# KiCad board Rotonometron_PCB.kicad_pcb (continued)
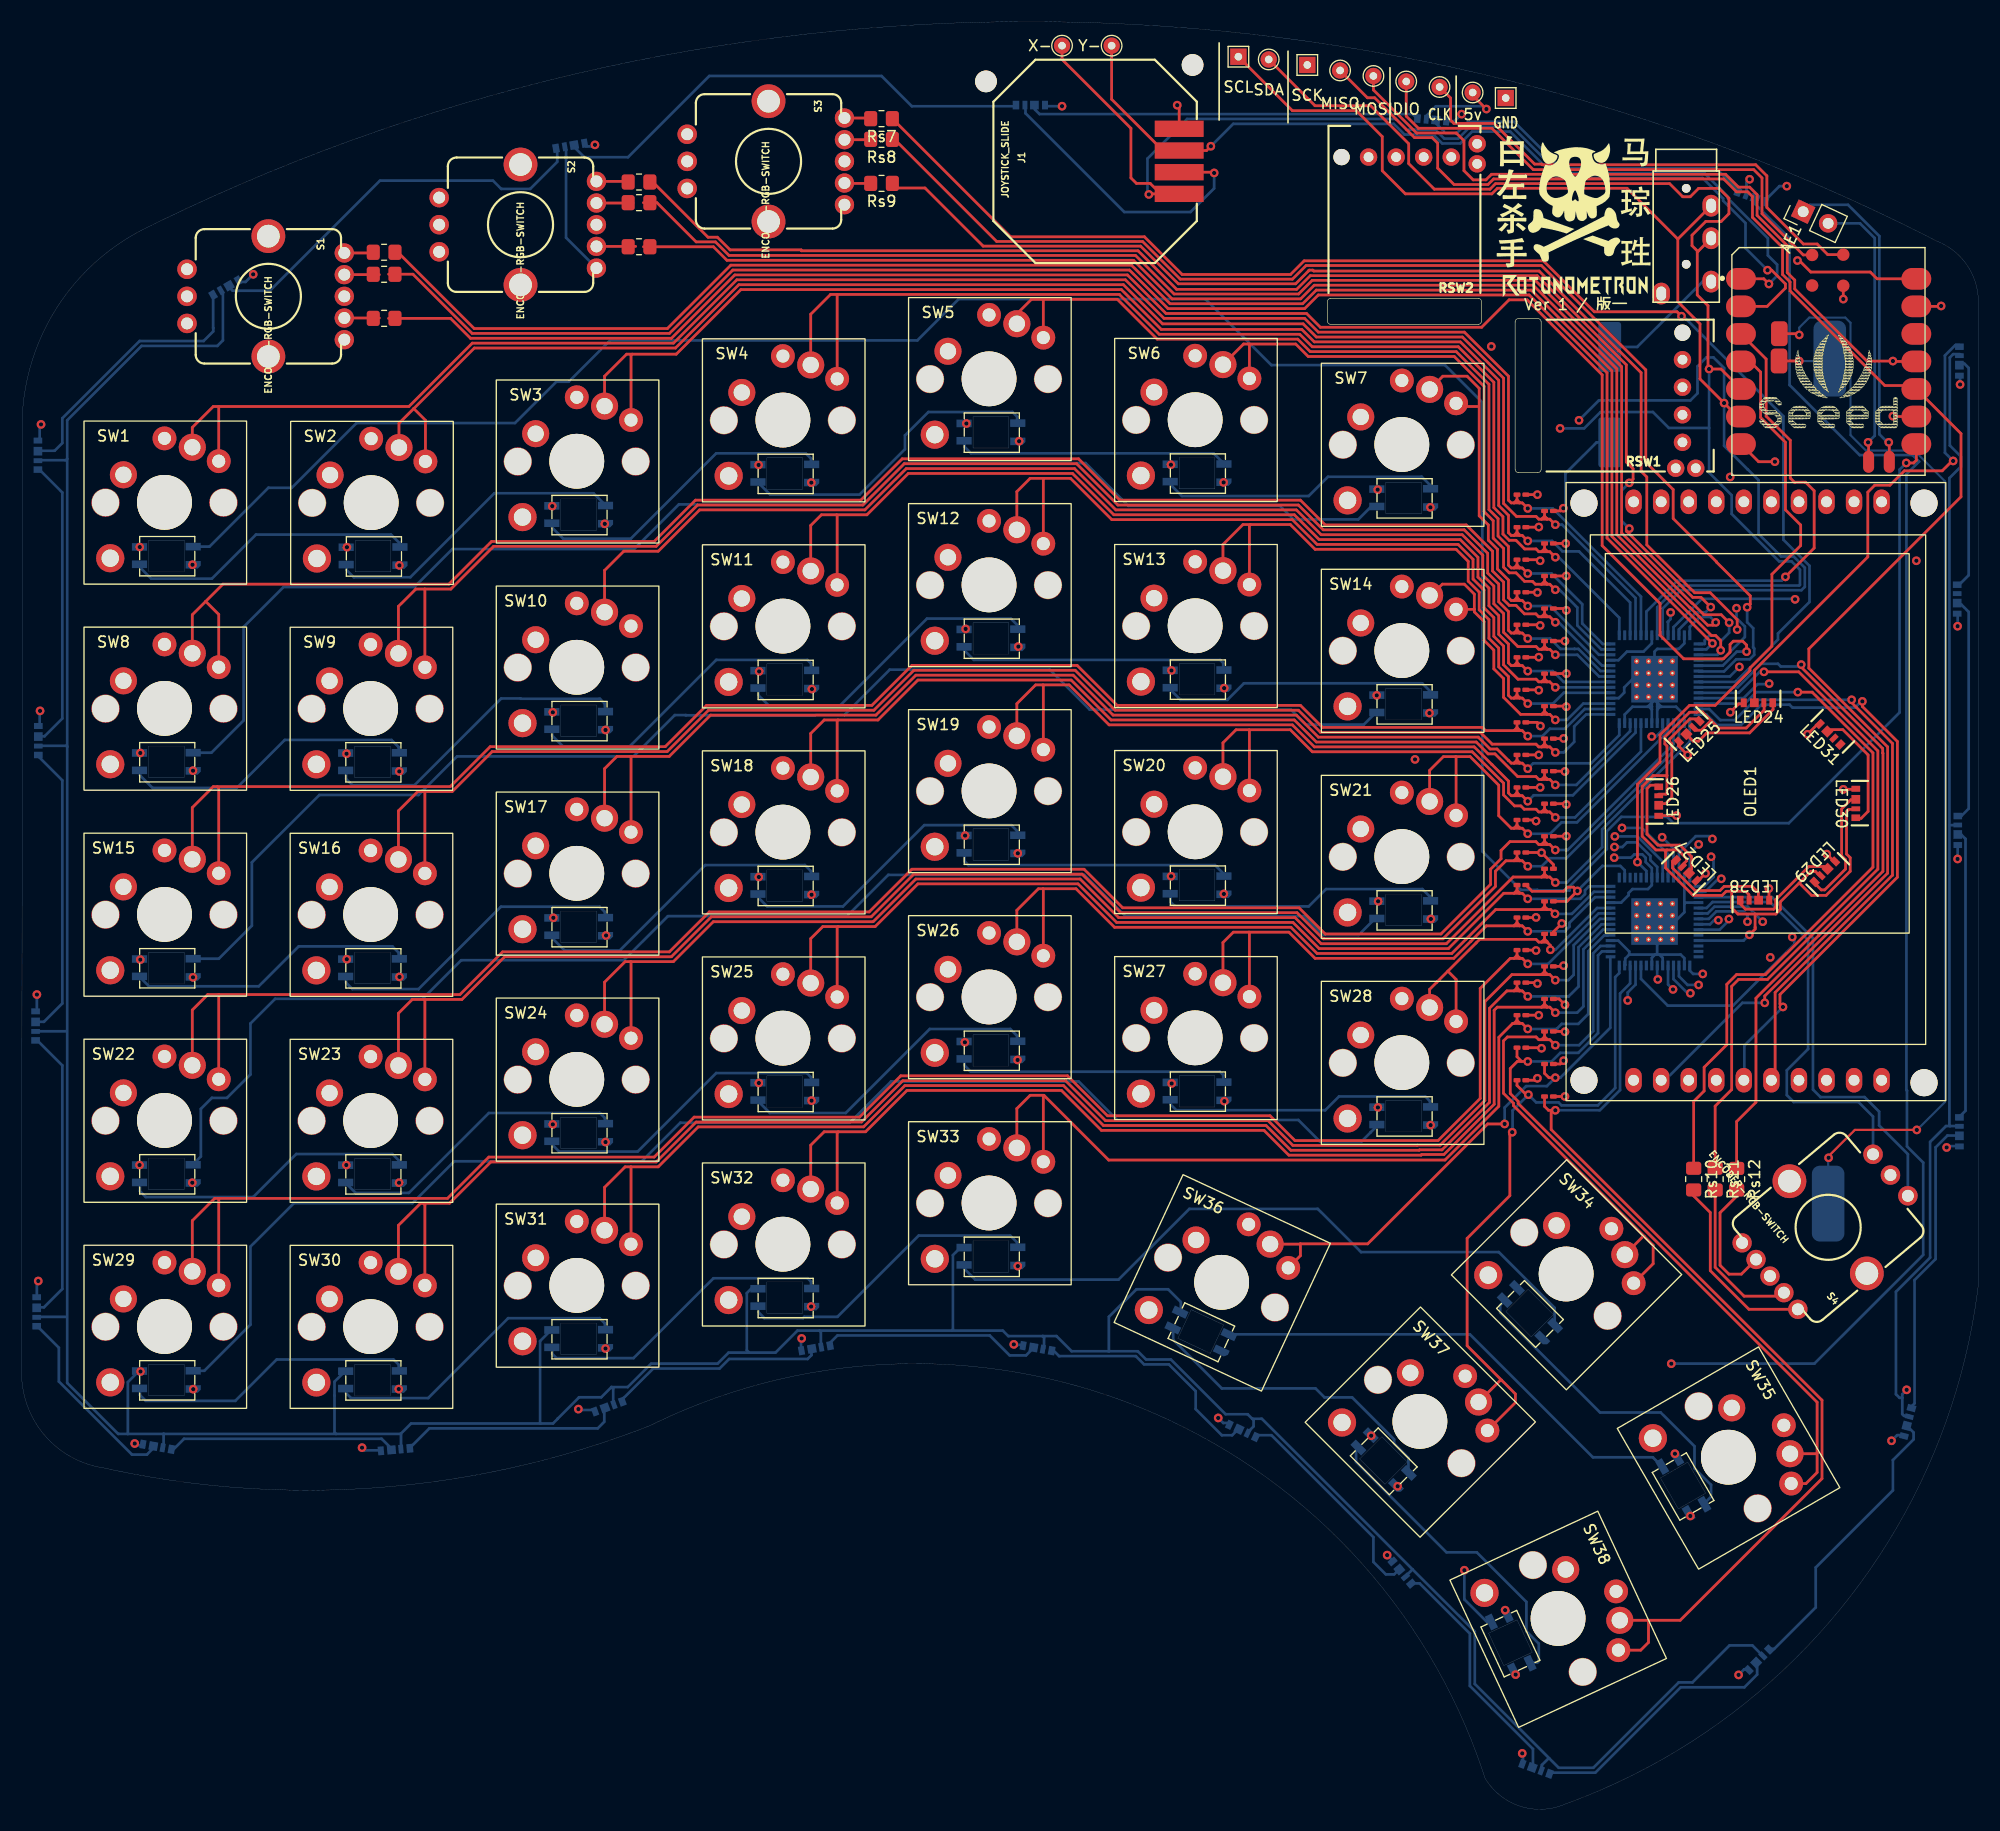
[diagram p0: board, top side]
## Routing (per net, layer and track width the routed paths; a pad name or vN(x,y) marks a point on that pad's centre or on a via; arc(x,y) is an arc through that point) (continued)
SDA: length 179.3
  Top w0.25: 154.49,143.65 153.95,144.2 153.95,145.16 155.22,146.43 156.64,146.43 157.36,147.14 157.36,148.56 156.44,149.48 154.56,149.48 153.79,148.7 153.1,148.7 151.88,149.92 135.84,149.92 135.33,149.4 130.2,149.4 127.84,151.77 127.84,153.59 124.34,157.1 119.2,157.1 SDA.1 ; 154.49,143.65 154.43,143.6 154.43,139.65 155.43,138.66 155.43,132.92 v1(155.53,132.82) 156.63,132.82 U3.5 ; 154.49,143.65 TRRS1.R1
  In2.Cu w0.25: v1(141.8,127.35) 141.42,127.35 140.64,126.57 140.64,119.15 140.65,119.14 140.65,118.03 140.95,117.73 142.63,117.73 144.81,115.54 144.81,89.78 145.82,88.77 146.79,88.77 146.81,88.76 v1(146.81,88.74)
  Bottom w0.25: 155.53,127.38 155.53,123.26 157.61,121.18 157.61,119.46 161.99,115.08 163.13,115.08 163.9,114.31 163.9,112.92 163.83,112.85 152.76,112.85 150.75,110.84 U1.50 ; 155.53,127.38 151.82,127.38 150.35,128.85 145.52,128.85 144.01,127.35 v1(141.8,127.35) ; 155.53,127.38 v1(155.53,132.82) ; v1(146.81,88.74) 147.53,88.74 147.96,89.17 148.86,89.17 150.12,87.92 150.12,87.53 150.75,86.9 U2.50
Sw 1: length 169.6
  Top w0.25: v1(138.81,119.96) 138.31,120.47 138.05,120.47 ; SW1.2 15.72,127.43 17.66,129.36 18.16,129.36 ; R1.2 137.82,120.75 ; 137.82,120.75 138.05,120.52 138.05,120.47 ; 137.82,120.75 137.54,120.47 ; 18.16,124.32 18.16,129.36 18.16,129.36 ; 137.54,120.47 138.05,120.47 ; 137.54,120.47 137.29,120.47 137.04,120.73 137.04,132.16 132.97,136.22 119.51,136.22 118.24,137.49 105.29,137.49 101.73,141.05 65.92,141.05 60.07,135.2 41.53,135.2 35.69,129.36 18.16,129.36
  Bottom w0.25: U1.47 149.25,111.83 141.11,119.96 v1(138.81,119.96)
Sw 2: length 150.2
  Top w0.25: R2.2 140.36,119.25 ; 140.36,119.25 140.59,119.02 140.59,118.97 ; 140.36,119.25 140.08,118.97 ; 34.77,125.58 34.77,127.81 36.13,129.17 ; v1(141.35,118.46) 140.85,118.97 140.59,118.97 ; 36.13,129.17 41.72,134.75 60.26,134.75 66.1,140.6 101.54,140.6 105.16,136.98 118.11,136.98 119.32,135.77 132.79,135.77 136.59,131.97 136.59,120.41 137.77,119.23 139.58,119.23 139.83,118.97 140.08,118.97 ; 36.13,129.17 37.21,128.09 SW2.2 ; 140.08,118.97 140.59,118.97
  Bottom w0.25: U1.46 148.75,111.7 141.98,118.46 v1(141.35,118.46)
Sw 3: length 130.6
  Top w0.25: 56.26,134.19 56.16,134.09 SW3.2 ; 56.26,134.19 60.33,134.19 66.29,140.15 101.36,140.15 105.03,136.47 117.98,136.47 119.14,135.32 132.6,135.32 136.14,131.78 136.14,120.23 137.04,119.33 137.04,117.73 137.29,117.47 137.54,117.47 ; 56.26,134.19 55.76,134.19 53.72,132.16 SW3.2 ; 137.54,117.47 137.82,117.75 ; 137.54,117.47 138.05,117.47 ; v1(138.81,116.96) 138.31,117.47 138.05,117.47 ; 138.05,117.47 138.05,117.52 137.82,117.75 ; 137.82,117.75 R3.2
  Bottom w0.25: v1(138.81,116.96) 141.05,116.96 142.01,116.01 143.53,116.01 148.25,111.29 U1.45
Sw 4: length 110.7
  Top w0.25: SW4.2 72.72,137.87 74.55,139.7 75.14,139.7 ; 140.36,116.25 140.08,115.97 ; 140.36,116.25 R4.2 ; 140.36,116.25 140.59,116.02 140.59,115.97 ; 140.08,115.97 139.83,115.97 139.58,116.23 138.53,116.23 137.73,117.02 137.1,117.02 136.53,117.6 136.53,119.2 135.69,120.04 135.69,131.6 132.41,134.87 118.95,134.87 117.8,136.02 104.84,136.02 101.17,139.7 75.14,139.7 ; 140.08,115.97 140.59,115.97 ; 140.59,115.97 140.85,115.97 v1(141.35,115.46) ; 75.14,139.7 75.16,139.67 SW4.2
  Bottom w0.25: U1.43 147.25,109.88 141.66,115.46 v1(141.35,115.46)
Sw 5: length 83
  Top w0.25: R5.2 137.82,114.75 ; 137.82,114.75 138.05,114.52 138.05,114.47 ; 137.82,114.75 137.54,114.47 ; 94.09,139.25 100.98,139.25 104.66,135.57 117.61,135.57 118.76,134.42 132.23,134.42 135.24,131.41 135.24,119.86 136.08,119.02 136.08,117.41 137.04,116.46 137.04,114.73 137.29,114.47 137.54,114.47 ; 94.09,139.25 93.07,139.25 91.72,137.9 ; 94.09,139.25 94.16,139.18 SW5.2 ; 137.54,114.47 138.05,114.47 ; 138.05,114.47 138.31,114.47 v1(138.81,113.96)
  Bottom w0.25: U1.42 145.72,107.47 143.84,109.35 143.84,111.13 141,113.96 v1(138.81,113.96)
Sw 6: length 62.3
  Top w0.25: 113.08,135.13 113.16,135.05 SW6.2 ; 113.08,135.13 117.43,135.13 118.58,133.97 132.04,133.97 134.79,131.23 134.79,119.67 135.63,118.83 135.63,117.23 136.59,116.27 136.59,114.54 137.1,114.02 137.73,114.02 138.51,113.24 139.25,113.24 139.52,112.97 140.08,112.97 ; 113.08,135.13 112.62,135.13 SW6.2 ; R6.2 140.36,113.25 ; 140.36,113.25 140.08,112.97 ; 140.36,113.25 140.59,113.02 140.59,112.97 ; 140.08,112.97 140.59,112.97 ; v1(141.35,112.46) 140.85,112.97 140.59,112.97
  Bottom w0.25: U1.41 145.59,106.97 143.39,109.17 143.39,110.82 141.74,112.46 v1(141.35,112.46)
Sw 7: length 40.6
  Top w0.25: 138.05,111.47 138.05,111.52 137.82,111.75 ; 138.05,111.47 137.54,111.47 ; 138.05,111.47 138.31,111.47 v1(138.81,110.96) ; 134.24,129.36 132.5,129.36 ; 137.82,111.75 137.54,111.47 ; 137.82,111.75 R7.2 ; 137.54,111.47 137.29,111.47 137.04,111.73 137.04,113.36 136.02,114.38 136.02,116.15 136.04,116.18 135.18,117.04 135.18,118.44 134.34,119.28 134.34,131.04 133.22,132.16 130.99,132.16 SW7.2
  Bottom w0.25: v1(138.81,110.96) 140.88,110.96 145.38,106.47 U1.40
Sw 8: length 158
  Top w0.25: 16.96,111.39 15.72,110.16 SW8.2 ; 16.96,111.39 18.54,112.98 39.37,112.98 43.31,116.92 58.3,116.92 62.11,120.73 77.35,120.73 81.16,124.54 97.41,124.54 101.22,120.73 117.86,120.73 120.14,118.44 133.14,118.44 135.57,116.01 135.57,114.19 136.59,113.17 136.59,111.54 137.1,111.02 137.73,111.02 138.51,110.24 139.56,110.24 139.83,109.97 140.08,109.97 ; 16.96,111.39 18.16,110.19 18.16,105.32 ; 140.59,109.97 140.85,109.97 v1(141.35,109.46) ; 140.59,109.97 140.59,110.02 140.36,110.25 ; 140.59,109.97 140.08,109.97 ; 140.36,110.25 140.08,109.97 ; 140.36,110.25 R8.2
  Bottom w0.25: U1.38 145.66,105.47 141.66,109.46 v1(141.35,109.46)
Sw 9: length 140.9
  Top w0.25: 138.05,108.47 138.05,108.52 137.82,108.75 ; 138.05,108.47 137.54,108.47 ; 138.05,108.47 138.31,108.47 v1(138.81,107.96) ; R9.2 137.82,108.75 ; 137.82,108.75 137.54,108.47 ; 137.54,108.47 137.29,108.47 137.04,108.73 137.04,110.46 136.14,111.35 136.14,112.99 135.12,114 135.12,115.83 132.96,117.99 119.96,117.99 117.67,120.28 101.04,120.28 97.23,124.09 81.34,124.09 77.53,120.28 62.29,120.28 58.48,116.47 43.5,116.47 39.56,112.53 37.14,112.53 ; 37.14,112.53 36.32,112.53 34.72,110.93 SW9.2 ; 37.14,112.53 37.16,112.51 SW9.2
  Bottom w0.25: U1.37 145.53,104.97 143.48,107.01 143.13,107.01 141.83,107.01 140.88,107.96 v1(138.81,107.96)
Sw 10: length 112.7
  Top w0.25: 140.08,106.97 139.83,106.97 139.58,107.23 137.9,107.23 136.59,108.54 136.59,110.27 135.69,111.17 135.69,112.8 134.67,113.82 134.67,115.64 132.77,117.54 119.77,117.54 117.49,119.83 100.85,119.83 97.04,123.64 81.53,123.64 77.72,119.83 62.48,119.83 58.67,116.02 55.49,116.02 53.72,114.25 SW10.2 ; 140.08,106.97 140.59,106.97 ; 140.08,106.97 140.36,107.25 ; 140.59,106.97 140.59,107.02 140.36,107.25 ; 140.59,106.97 140.85,106.97 v1(141.35,106.46) ; 140.36,107.25 R10.2
  Bottom w0.25: v1(141.35,106.46) 143.39,106.46 145.39,104.47 U1.36
Sw 11: length 99.7
  Top w0.25: 137.54,105.47 137.29,105.47 137.04,105.73 137.04,107.46 136.14,108.35 136.14,110.08 135.24,110.98 135.24,112.62 134.22,113.63 134.22,115.45 132.58,117.09 119.59,117.09 117.3,119.38 100.66,119.38 96.85,123.19 81.71,123.19 77.9,119.38 75.11,119.38 ; 137.54,105.47 137.82,105.75 ; 137.54,105.47 138.05,105.47 ; 75.11,119.38 75.16,119.32 SW11.2 ; 75.11,119.38 73.71,119.38 72.72,118.39 SW11.2 ; R11.2 137.82,105.75 ; 137.82,105.75 138.05,105.52 138.05,105.47 ; 138.05,105.47 138.31,105.47 v1(138.81,104.96)
  Bottom w0.25: v1(138.81,104.96) 141.11,104.96 142.12,103.96 142.37,103.96 142.37,103.97 U1.35
Sw 12: length 78.1
  Top w0.25: 94.22,122.74 92.95,122.74 91.72,121.52 SW12.2 ; 94.22,122.74 94.16,122.68 SW12.2 ; 94.22,122.74 96.67,122.74 100.48,118.93 117.11,118.93 119.4,116.64 132.4,116.64 133.77,115.27 133.77,113.45 134.79,112.43 134.79,110.8 135.69,109.9 135.69,108.17 136.59,107.27 136.59,105.54 137.91,104.22 139.58,104.22 ; 140.59,103.97 140.59,104.02 140.36,104.25 ; 140.59,103.97 140.08,103.97 ; 140.59,103.97 140.85,103.97 v1(141.35,103.46) ; 140.08,103.97 139.83,103.97 139.58,104.23 ; 140.08,103.97 140.36,104.25 ; R12.2 140.36,104.25
  Bottom w0.25: U1.34 141.36,103.47 v1(141.35,103.46)
Sw 13: length 58
  Top w0.25: 137.82,102.75 137.54,102.47 ; 137.82,102.75 R13.2 ; 137.82,102.75 138.05,102.52 138.05,102.47 ; 137.54,102.47 137.29,102.47 137.04,102.73 137.04,104.46 136.14,105.35 136.14,107.08 135.24,107.98 135.24,109.71 134.34,110.61 134.34,112.24 133.32,113.26 133.32,115.08 132.21,116.19 119.21,116.19 116.93,118.48 113.25,118.48 ; 137.54,102.47 138.05,102.47 ; 138.05,102.47 138.31,102.47 v1(138.81,101.96) ; 113.25,118.48 112.56,118.48 110.72,116.64 SW13.2 ; 113.25,118.48 113.16,118.39 SW13.2
  Bottom w0.25: v1(138.81,101.96) 141.13,101.96 142.14,102.97 U1.33
Sw 14: length 29.7
  Top w0.25: 133.89,110.67 133.88,110.66 SW14.2 ; 133.89,110.67 133.89,112.06 132.97,112.98 130.94,112.98 129.9,111.94 ; 133.89,110.67 133.89,110.42 134.79,109.52 134.79,107.8 135.69,106.9 135.69,105.17 136.59,104.27 136.59,102.54 138.15,100.97 140.08,100.97 ; 140.36,101.25 140.59,101.02 140.59,100.97 ; 140.36,101.25 140.08,100.97 ; 140.36,101.25 R14.2 ; v1(141.35,100.46) 140.85,100.97 140.59,100.97 ; 140.08,100.97 140.59,100.97
  Bottom w0.25: U1.31 143.93,101.97 142.43,100.46 v1(141.35,100.46)
Sw 15: length 154
  Top w0.25: 137.54,99.47 134.92,99.47 134.62,99.77 119.89,99.77 117.86,101.8 100.97,101.8 97.28,105.49 82.04,105.49 78.36,101.8 63.12,101.8 59.31,97.99 43.18,97.99 39.5,94.31 18.04,94.31 ; 137.54,99.47 137.82,99.75 ; 137.54,99.47 138.05,99.47 ; 137.82,99.75 138.05,99.52 138.05,99.47 ; 137.82,99.75 R15.2 ; 18.04,94.31 17.66,94.31 15.72,92.38 SW15.2 ; 18.04,94.31 18.16,94.19 SW15.2 ; 138.05,99.47 138.31,99.47 v1(138.81,98.96)
  Bottom w0.25: v1(138.81,98.96) 140.17,98.96 140.85,99.64 142.24,99.64 144.07,101.47 U1.30
Sw 16: length 135.8
  Top w0.25: 140.59,97.97 140.59,98.02 140.36,98.25 ; 140.59,97.97 140.85,97.97 v1(141.35,97.46) ; 140.59,97.97 140.08,97.97 ; 140.08,97.97 139.83,97.97 139.58,98.23 135.53,98.23 134.44,99.32 119.7,99.32 117.67,101.35 100.78,101.35 97.1,105.04 82.23,105.04 78.55,101.35 63.31,101.35 59.5,97.54 43.37,97.54 39.69,93.86 37.14,93.86 ; 140.08,97.97 140.36,98.25 ; 37.14,93.86 37.16,93.84 SW16.2 ; 37.14,93.86 36.51,93.86 34.72,92.07 SW16.2 ; 140.36,98.25 R16.2
  Bottom w0.25: U1.29 144.2,100.97 143.09,99.86 143.09,98.43 142.12,97.46 v1(141.35,97.46)
Sw 17: length 115.9
  Top w0.25: 56.15,97.09 56.16,97.08 SW17.2 ; 56.15,97.09 59.68,97.09 63.49,100.9 78.73,100.9 82.42,104.59 96.91,104.59 100.6,100.9 117.49,100.9 119.52,98.87 134.25,98.87 135.35,97.78 135.98,97.78 137.03,96.73 137.04,96.73 137.29,96.47 137.54,96.47 ; 56.15,97.09 54.86,97.09 53.72,95.96 SW17.2 ; 137.54,96.47 138.05,96.47 ; 137.54,96.47 137.82,96.75 ; 138.05,96.47 138.31,96.47 v1(138.81,95.96) ; 138.05,96.47 138.05,96.52 137.82,96.75 ; 137.82,96.75 R17.2
  Bottom w0.25: U1.28 147.25,99.06 144.65,96.46 139.31,96.46 v1(138.81,95.96)
Sw 18: length 96.2
  Top w0.25: 75.23,100.45 73.96,100.45 72.72,99.21 SW18.2 ; 75.23,100.45 75.16,100.38 SW18.2 ; 75.23,100.45 78.92,100.45 82.6,104.14 96.73,104.14 100.41,100.45 117.3,100.45 119.33,98.42 134.06,98.42 135.16,97.33 135.8,97.33 137.88,95.24 139.56,95.24 139.83,94.97 140.08,94.97 ; 140.59,94.97 140.85,94.97 v1(141.35,94.46) ; 140.59,94.97 140.08,94.97 ; 140.59,94.97 140.59,95.02 140.36,95.25 ; R18.2 140.36,95.25 ; 140.36,95.25 140.08,94.97
  Bottom w0.25: v1(141.35,94.46) 143.29,94.46 148.25,99.42 U1.26
Sw 19: length 76.5
  Top w0.25: 94.13,103.69 94.16,103.66 SW19.2 ; 94.13,103.69 96.54,103.69 100.22,100.01 117.11,100.01 119.15,97.97 133.88,97.97 135.51,96.34 135.51,96.34 137.04,94.82 137.04,93.73 137.29,93.47 137.54,93.47 ; 94.13,103.69 93.45,103.69 91.72,101.96 SW19.2 ; R19.2 137.82,93.75 ; 137.82,93.75 138.05,93.52 138.05,93.47 ; 137.82,93.75 137.54,93.47 ; 138.05,93.47 137.54,93.47 ; 138.05,93.47 138.31,93.47 v1(138.81,92.96)
  Bottom w0.25: v1(138.81,92.96) 139.36,93.51 142.97,93.51 148.75,99.29 U1.25
Sw 20: length 58.1
  Top w0.25: SW20.2 113.16,99.52 113.16,99.52 ; 140.36,92.25 140.08,91.97 ; 140.36,92.25 140.59,92.02 140.59,91.97 ; 140.36,92.25 R20.2 ; 140.08,91.97 140.59,91.97 ; 140.08,91.97 139.83,91.97 139.58,92.23 138.48,92.23 138.18,92.53 137.59,92.53 136.59,93.54 136.59,94.63 136.34,94.88 136.33,94.88 133.69,97.52 118.96,97.52 116.93,99.56 111.93,99.56 110.72,98.35 SW20.2 ; 140.59,91.97 140.85,91.97 v1(141.35,91.46)
  Bottom w0.25: U1.24 149.25,97.55 143.17,91.46 v1(141.35,91.46)
Sw 21: length 41.3
  Top w0.25: 137.82,90.75 137.54,90.47 ; 137.82,90.75 R21.2 ; 137.82,90.75 138.05,90.52 138.05,90.47 ; 137.54,90.47 137.29,90.47 136.14,91.63 136.14,94.44 133.51,97.07 132.18,97.07 ; 137.54,90.47 138.05,90.47 ; 132.18,97.07 132.21,97.05 SW21.2 ; 132.18,97.07 131.04,97.07 129.77,95.81 SW21.2 ; 138.05,90.47 138.31,90.47 v1(138.81,89.96)
  Bottom w0.25: v1(138.81,89.96) 140.88,89.96 141.93,91.01 143.35,91.01 151.75,99.41 U1.19
Sw 22: length 169.6
  Top w0.25: 140.08,88.97 139.83,88.97 139.56,89.24 137.17,89.24 136.35,88.42 136.35,87.66 135.38,86.69 135.38,85.29 130.81,80.72 120.14,80.72 117.73,83.13 101.48,83.13 97.92,86.69 82.04,86.69 78.11,82.75 63.38,82.75 59.69,79.07 44.33,79.07 40.39,75.13 18.16,75.13 ; 140.08,88.97 140.59,88.97 ; 140.08,88.97 140.36,89.25 ; 140.59,88.97 140.85,88.97 v1(141.35,88.46) ; 140.59,88.97 140.59,89.02 140.36,89.25 ; 18.16,75.13 17.15,75.13 15.72,73.71 SW22.2 ; 18.16,75.13 18.16,75.13 SW22.2 ; R22.2 140.36,89.25
  Bottom w0.25: U1.18 152.25,98.22 142.49,88.46 v1(141.35,88.46)
Sw 23: length 149.9
  Top w0.25: 137.82,87.75 138.05,87.52 138.05,87.47 ; 137.82,87.75 R23.2 ; 137.82,87.75 137.54,87.47 ; 138.05,87.47 137.54,87.47 ; 138.05,87.47 138.31,87.47 v1(138.81,86.96) ; SW23.2 34.72,73.41 36,74.68 37.16,74.68 ; 137.54,87.47 136.8,87.47 135.83,86.51 135.83,85.11 131,80.27 119.96,80.27 117.55,82.68 101.29,82.68 97.73,86.24 82.23,86.24 78.29,82.3 63.56,82.3 59.88,78.62 44.51,78.62 40.57,74.68 37.16,74.68 ; 37.16,74.68 37.16,74.68 SW23.2
  Bottom w0.25: v1(138.81,86.96) 140.1,86.96 140.85,87.71 142.37,87.71 152.75,98.08 U1.17
Sw 24: length 129.5
  Top w0.25: SW24.2 56.16,78.16 56.15,78.17 ; 140.36,86.25 140.59,86.02 140.59,85.97 ; 140.36,86.25 140.08,85.97 ; 140.36,86.25 R24.2 ; 140.08,85.97 137.46,85.97 131.31,79.82 119.77,79.82 117.36,82.24 101.1,82.24 97.55,85.79 82.42,85.79 78.48,81.85 63.75,81.85 60.06,78.17 56.15,78.17 ; 140.08,85.97 140.59,85.97 ; 56.15,78.17 55.62,78.17 53.72,76.28 SW24.2 ; 140.59,85.97 140.85,85.97 v1(141.35,85.46)
  Bottom w0.25: v1(141.35,85.46) 142.41,85.46 145.67,88.72 145.67,90.37 153.75,98.45 U1.15
Sw 25: length 93.2
  Top w0.25: 137.82,84.75 138.05,84.52 138.05,84.47 ; 137.82,84.75 137.54,84.47 ; 137.82,84.75 R25.2 ; 137.54,84.47 138.05,84.47 ; 137.54,84.47 136.6,84.47 131.5,79.37 119.59,79.37 117.17,81.79 100.92,81.79 97.36,85.34 82.6,85.34 78.67,81.4 75.23,81.4 ; v1(138.81,83.96) 138.31,84.47 138.05,84.47 ; SW25.2 75.16,81.33 75.23,81.4 ; 75.23,81.4 73.84,81.4 72.72,80.29 SW25.2
  Bottom w0.25: U2.42 144.45,85.11 144.09,84.75 144.09,84.4 143.66,83.96 v1(138.81,83.96)
Sw 26: length 71.1
  Top w0.25: 94.13,84.89 93.71,84.89 91.72,82.91 SW26.2 ; 94.13,84.89 97.17,84.89 100.73,81.34 116.99,81.34 119.4,78.92 131.81,78.92 133.12,80.23 135.86,82.97 140.08,82.97 ; 94.13,84.89 94.16,84.86 SW26.2 ; 140.08,82.97 140.59,82.97 ; 140.08,82.97 140.36,83.25 ; 140.59,82.97 140.59,83.02 140.36,83.25 ; 140.59,82.97 140.92,82.97 v1(141.32,82.58) ; 140.36,83.25 R26.2
  Bottom w0.25: U2.41 144.92,84.61 142.88,82.58 v1(141.32,82.58)
Sw 27: length 51
  Top w0.25: R27.2 137.82,81.75 ; 137.82,81.75 138.05,81.52 138.05,81.47 ; 137.82,81.75 137.54,81.47 ; SW27.2 110.72,79.93 111.67,80.89 113.12,80.89 ; SW27.2 113.16,80.85 113.12,80.89 ; 113.12,80.89 116.8,80.89 119.21,78.47 131.99,78.47 133.57,80.05 133.57,80.05 134.99,81.47 137.54,81.47 ; 138.05,81.47 137.54,81.47 ; 138.05,81.47 138.31,81.47 v1(138.81,80.96)
  Bottom w0.25: v1(138.81,80.96) 142.22,80.96 142.66,81.4 142.66,81.75 145.02,84.11 U2.40
Sw 28: length 28.7
  Top w0.25: 140.59,79.97 140.9,79.67 v1(140.9,79.26) ; 140.59,79.97 140.08,79.97 ; 140.59,79.97 140.59,80.02 140.36,80.25 ; 131.45,77.29 134.05,79.89 134.05,79.9 134.38,80.23 139.58,80.23 139.83,79.97 140.08,79.97 ; 131.45,77.29 132.21,76.53 SW28.2 ; 131.45,77.29 130.43,76.28 130.43,76.28 129.77,75.61 SW28.2 ; 140.36,80.25 140.08,79.97 ; 140.36,80.25 R28.2
  Bottom w0.25: v1(140.9,79.26) 141.35,79.26 145.2,83.11 U2.38
Sw 29: length 167.7
  Top w0.25: 18.16,56.34 17.78,56.34 15.72,54.28 SW29.2 ; 18.16,56.34 39.25,56.34 43.06,60.15 58.3,60.15 61.98,63.83 77.22,63.83 81.03,67.64 96.4,67.64 100.08,63.96 115.06,63.96 117.35,61.67 130.55,61.67 134.43,65.55 134.43,75.7 137.2,78.47 137.54,78.47 ; 18.16,56.34 18.16,56.34 SW29.2 ; 138.05,78.47 138.31,78.47 v1(138.81,77.96) ; 138.05,78.47 137.54,78.47 ; 138.05,78.47 138.05,78.52 137.82,78.75 ; 137.82,78.75 137.54,78.47 ; 137.82,78.75 R29.2
  Bottom w0.25: v1(138.81,77.96) 140.69,77.96 145.34,82.61 U2.37
Sw 30: length 148.9
  Top w0.25: 37.02,55.89 39.43,55.89 43.24,59.7 58.48,59.7 62.16,63.38 77.4,63.38 81.21,67.19 96.21,67.19 99.89,63.51 114.88,63.51 117.16,61.22 128.61,61.22 128.63,61.24 130.73,61.24 134.86,65.37 134.86,74.48 137.35,76.97 140.08,76.97 ; 37.02,55.89 37.16,55.74 SW30.2 ; 37.02,55.89 36.76,55.89 34.72,53.85 SW30.2 ; 140.08,76.97 140.59,76.97 ; 140.08,76.97 140.36,77.25 ; 140.59,76.97 140.85,76.97 v1(141.35,76.46) ; 140.59,76.97 140.59,77.02 140.36,77.25 ; 140.36,77.25 R30.2
  Bottom w0.25: U2.36 145.48,82.11 143.04,79.68 143.04,76.95 142.56,76.46 v1(141.35,76.46)
Sw 31: length 127.7
  Top w0.25: SW31.2 53.72,57.35 55.62,59.25 56.15,59.25 ; 56.15,59.25 58.67,59.25 62.35,62.93 77.59,62.93 81.4,66.74 96.02,66.74 99.71,63.06 114.69,63.06 116.98,60.77 128.8,60.77 128.84,60.81 130.91,60.81 135.29,65.19 135.29,73.87 136.89,75.47 137.54,75.47 ; 56.15,59.25 56.16,59.23 SW31.2 ; 137.54,75.47 137.82,75.75 ; 137.54,75.47 138.05,75.47 ; v1(138.81,74.96) 138.31,75.47 138.05,75.47 ; 138.05,75.47 138.05,75.52 137.82,75.75 ; 137.82,75.75 R31.2
  Bottom w0.25: v1(138.81,74.96) 142.58,74.96 143.49,75.88 143.49,79.5 145.61,81.61 U2.35
Sw 32: length 107.4
  Top w0.25: 75.27,62.48 73.96,62.48 72.72,61.24 SW32.2 ; 75.27,62.48 77.78,62.48 81.59,66.29 95.84,66.29 99.52,62.61 114.51,62.61 116.79,60.32 128.98,60.32 129.04,60.38 131.08,60.38 135.72,65.02 135.72,73.69 136,73.97 140.08,73.97 ; 75.27,62.48 75.16,62.38 SW32.2 ; 140.08,73.97 140.59,73.97 ; 140.08,73.97 140.36,74.25 ; 140.59,73.97 140.85,73.97 v1(141.35,73.46) ; 140.59,73.97 140.59,74.02 140.36,74.25 ; R32.2 140.36,74.25
  Bottom w0.25: v1(141.35,73.46) 143.37,73.46 143.94,74.04 143.94,79.31 145.75,81.11 U2.34
Sw 33: length 84.6
  Top w0.25: 137.82,72.75 137.54,72.47 ; 137.82,72.75 R33.2 ; 137.82,72.75 138.05,72.52 138.05,72.47 ; 137.54,72.47 138.05,72.47 ; 137.54,72.47 137.42,72.47 136.15,71.2 136.15,64.84 131.18,59.87 100.19,59.87 94.22,65.84 ; v1(138.81,71.96) 138.31,72.47 138.05,72.47 ; 94.22,65.84 92.95,65.84 91.72,64.62 SW33.2 ; 94.22,65.84 94.16,65.79 SW33.2
  Bottom w0.25: 146.18,80.58 145.85,80.58 144.39,79.12 144.39,73.35 143.48,72.43 141.94,72.43 141.52,72 141.52,71.96 138.82,71.96 v1(138.81,71.96)
Sw 34: length 50.9
  Top w0.25: 140.08,70.97 139.83,70.97 139.58,71.23 136.94,71.23 136.58,70.86 136.58,66.03 137.5,65.11 137.5,64.89 149.54,52.84 ; 140.08,70.97 140.59,70.97 ; 140.08,70.97 140.36,71.25 ; 149.54,52.84 150.37,52.02 150.37,50.31 SW34.2 ; 149.54,52.84 149.45,52.84 SW34.2 ; 140.59,70.97 140.85,70.97 v1(141.35,70.46) ; 140.59,70.97 140.59,71.02 140.36,71.25 ; R34.2 140.36,71.25
  Bottom w0.25: U2.31 145.52,79.61 144.84,78.94 144.84,71.76 143.54,70.46 v1(141.35,70.46)
Sw 35: length 73.7
  Top w0.25: R35.2 137.82,69.39 138.25,68.96 ; 165.48,32.84 165.48,37.54 137.93,65.1 137.93,65.29 137.2,66.01 137.2,68.31 137.85,68.96 v1(138.81,68.96) ; 165.48,32.84 165.43,32.79 SW35.2 ; 165.48,32.84 165.48,31.06 164.46,30.04 SW35.2
  Bottom w0.25: v1(138.81,68.96) 141.02,68.96 141.82,69.76 143.47,69.76 145.29,71.58 145.29,78.75 145.65,79.11 U2.30
Sw 36: length 51.8
  Top w0.25: 117.86,52.15 124.06,52.15 135.12,63.2 v1(136.68,63.2) ; 117.86,52.15 117.83,52.12 SW36.2 ; 117.86,52.15 117.86,51.05 SW36.2 ; v1(141.35,67.46) 140.77,67.46 140.36,67.87 R36.2
  Bottom w0.25: U2.29 146.42,78.59 146.42,72.08 141.81,67.46 v1(141.35,67.46) 140.58,66.69 138.66,66.69 136.68,64.71 v1(136.68,63.2)
Sw 37: length 61.6
  Top w0.25: 136.4,39.57 133.23,42.75 133.23,52.65 137.16,56.59 137.16,62.22 v1(137.38,62.44) ; 136.4,39.57 136.29,39.57 SW37.2 ; 136.4,39.57 137.67,38.3 137.67,37.5 SW37.2 ; v1(138.87,65.9) 138.67,65.9 137.82,66.75 R37.2
  Bottom w0.25: U2.28 147.25,77.11 146.87,76.74 146.87,66.52 145.27,64.91 141.93,64.91 141.65,65.19 139.59,65.19 v1(138.87,65.9) 137.42,64.45 137.42,62.48 v1(137.38,62.44)
Sw 38: length 94.1
  Top w0.25: R38.2 140.36,64.82 140.72,64.46 140.97,64.46 ; 140.97,64.46 140.97,62.69 165.93,37.73 165.93,30.5 152.86,17.43 149.94,17.43 ; 140.97,64.46 v1(141.35,64.46) ; 149.94,17.43 SW38.2 ; 149.94,17.43 149.94,15.4 149.22,14.68 SW38.2
  Bottom w0.25: U2.26 148.25,76.16 147.32,75.23 147.32,66.33 145.46,64.46 v1(141.35,64.46)
SWCLK: length 46.5
  Top w0.25: U3.18 166.47,143.37 165.48,144.35 164.21,144.35 160.85,147.71 160.85,150.63 159.83,151.66 140.14,151.66 140.08,151.71 139.45,151.71 135.7,155.47 132.01,155.47 131.7,155.77 131.7,157.81 CLK.1
SWDIO: length 47.8
  Top w0.25: DIO.1 127.61,156.14 128.73,155.02 135.51,155.02 139.32,151.21 159.64,151.21 160.4,150.44 160.4,147.14 164.21,143.34 U3.17
Net-(AE1-Pad1): length 29.7
  Top w0.25: v1(172.09,126.06) 172.13,126.01 U3.16
  Bottom w0.25: v1(172.09,126.06) 171.96,126.06 171.22,126.8 171.22,145.07 168.33,147.96 164.83,147.96 AE1.1
Net-(AE1-Pad2): length 25.8
  Top w0.25: v1(170.18,126.06) 170.23,126.01 U3.15
  Bottom w0.25: v1(170.18,126.06) 170.79,126.67 170.79,144.89 169.43,146.25 166.5,146.25
Net-(LED1-Pad2): length 168.4
  In1.Cu w0.25: v1(132.97,22.05) 132.97,22.38 145.14,34.55 145.5,34.55 v1(152.04,41.09)
  Bottom w0.25: 135.47,17.24 135.09,17.24 132.97,19.36 v1(132.97,22.05) ; 159.8,148.72 159.8,148.02 162.94,144.87 162.94,131.34 169.41,124.88 174.28,124.88 174.88,124.28 173.71,123.12 173.71,66.33 173.76,66.28 173.76,61.14 175.26,59.64 175.26,51.13 165.23,41.1 152.04,41.1 v1(152.04,41.09)
Net-(LED1-Pad4): length 31.4
  Bottom w0.25: 158.2,149.3 156.17,151.33 141.84,151.33 137.56,155.61 133.31,155.61 132.22,154.52 131.3,154.52 130.32,155.5
Net-(LED2-Pad4): length 35.9
  Bottom w0.25: 93.39,157.05 93.39,156.75 93.81,156.33 128.2,156.33 128.62,155.91
Net-(LED3-Pad4): length 45.3
  Bottom w0.25: 51.04,153.18 51.86,152.35 55.88,152.35 63.38,159.84 79.25,159.84 82.04,157.05 91.69,157.05
Net-(LED4-Pad4): length 36.9
  Bottom w0.25: 19.12,140.36 19.44,140.04 22.87,140.04 33.02,150.19 43.44,150.19 44.2,149.43 46.87,149.43 49.36,151.92 49.36,152.88
Net-(LED5-Pad4): length 25.1
  Bottom w0.25: 17.65,139.51 17.65,136.61 17.66,136.6 17.66,136.29 16.77,135.4 10.87,135.4 3.74,128.28 3.74,125.99 3.04,125.28 1.65,125.28
Net-(LED6-Pad4): length 26.6
  Bottom w0.25: 1.65,98.95 2.11,98.95 3.74,100.59 3.74,121.43 1.65,123.52
Net-(LED7-Pad4): length 26.8
  Bottom w0.25: 1.65,97.25 1.65,96.98 3.74,94.89 3.74,74.32 2.05,72.62 1.4,72.62
Net-(LED8-Pad4): length 26.9
  Bottom w0.25: 1.4,46.29 2.05,46.29 3.74,47.99 3.74,68.6 1.42,70.92
Net-(LED10-Pad2): length 17.8
  Bottom w0.25: 1.4,44.59 3.43,42.56 3.43,39.45 10.16,32.72 11.54,32.72 12.22,33.39
Net-(LED10-Pad4): length 21
  Bottom w0.25: 13.89,33.1 14.97,34.17 33.17,34.17 34.09,33.25
Net-(LED11-Pad4): length 20.3
  Bottom w0.25: 53.69,37.16 53.69,35.73 53.09,35.13 37.57,35.13 35.78,33.34
Net-(LED12-Pad4): length 20
  Bottom w0.25: 55.29,37.74 58.2,40.65 64.32,40.65 65.21,41.53 72.44,41.53 72.79,41.88 72.79,42.68
Net-(LED13-Pad4): length 20.3
  Bottom w0.25: 74.47,42.98 75.18,43.7 89.23,43.7 91.06,41.86 92.57,41.86 93.37,42.66
Net-(LED14-Pad4): length 21.8
  Bottom w0.25: 95.05,42.37 95.62,41.79 102.69,41.79 103.45,41.03 105.73,41.03 108.21,38.56 108.21,36.91 110.62,34.49 111.56,34.49 112.28,35.21
Net-(LED15-Pad4): length 20
  Bottom w0.25: 113.82,34.5 115.19,34.5 124.59,25.09 124.59,22.81 125.73,21.67 126.5,21.67 126.97,22.14
Net-(LED16-Pad4): length 22
  Bottom w0.25: 128.06,20.84 128.85,20.84 133.48,16.2 133.48,11.38 139.29,5.56 139.29,3.96
Net-(LED17-Pad4): length 23.9
  Bottom w0.25: 159.91,13.48 159.95,13.44 159.95,12.43 158.78,11.25 152.91,11.25 145.04,3.38 140.89,3.38
Net-(LED18-Pad4): length 26.8
  Bottom w0.25: 173.68,35.44 174.37,34.75 174.37,34.11 172.47,32.21 172.47,29.41 165.36,22.3 165.36,18.62 161.53,14.79 161,14.79
Net-(LED19-Pad4): length 27.5
  Bottom w0.25: 174.12,37.09 174.46,37.43 174.46,48.81 176.41,50.75 176.41,61.05 177.49,62.13 178.57,62.13
Net-(LED20-Pad4): length 26.8
  Bottom w0.25: 178.57,63.83 179.16,64.42 179.16,89.48 178.77,89.88 178.44,89.88
Net-(LED21-Pad4): length 20.7
  Bottom w0.25: 178.44,111.09 178.79,111.09 179.45,110.42 179.45,92.28 178.75,91.58 178.44,91.58
Net-(LED22-Pad4): length 21.5
  Bottom w0.25: 178.44,112.79 179.45,113.8 179.45,132.92 179.06,133.31 178.66,133.31
Net-(LED23-Pad4): length 44.6
  Top w0.25: 159.72,101.94 159.72,105.06 170.16,115.49 170.16,121.46 170.8,122.11 172.2,122.11 173.52,123.43 177.01,123.43 177.92,124.34
  Bottom w0.25: v1(178.02,124.34) 177.27,125.1 177.27,134.07 178.21,135.01 178.66,135.01
Net-(LED24-Pad4): length 10
  Top w0.25: 153.39,99.17 154.06,98.5 154.56,98.5 155.32,99.26 159.26,99.26 161.42,101.43 161.42,101.94
Net-(LED25-Pad4): length 10.2
  Top w0.25: 154.41,100.56 153.75,100.56 151.9,98.7 151.9,98.44 152.09,98.25 152.09,93.31 151.52,92.74 150.87,92.74
Net-(LED26-Pad4): length 11.9
  Top w0.25: 150.87,94.44 150.12,94.44 149.8,94.12 149.8,89.92 150.81,88.92 152.84,88.92 153.92,87.84 153.92,86.69 153.64,86.41
Net-(LED27-Pad4): length 10.7
  Top w0.25: 152.44,87.61 152.15,87.33 152.15,86.81 154.24,84.73 156.53,84.73 156.92,85.11 159.5,85.11 160.07,84.54 160.07,83.89
Net-(LED28-Pad4): length 10.8
  Top w0.25: 158.37,83.89 158.37,83.52 158.88,83.01 161.48,83.01 161.66,83.19 161.66,83.89 164.72,86.94 166.12,86.94 166.4,86.66
Net-(LED29-Pad4): length 11.2
  Top w0.25: 165.2,85.45 165.86,84.79 166.18,84.79 168.1,86.71 168.1,87.58 167.74,87.94 167.74,92.25 168.58,93.09 168.92,93.09
Net-(LED30-Pad4): length 11.6
  Top w0.25: 168.92,91.39 169.54,91.39 170.18,92.02 170.18,97.23 167.85,99.56 166.3,99.56
Net-(Rs1-Pad2): length 3.1
  Top w0.25: S1.1 32.8,143.52
Net-(Rs2-Pad2): length 3.2
  Top w0.25: 32.96,141.52 S1.2
Net-(Rs3-Pad2): length 3.2
  Top w0.25: S1.4 32.96,137.52
Net-(Rs4-Pad2): length 2.9
  Top w0.25: 55.84,150.12 S2.1
Net-(Rs5-Pad2): length 3.4
  Top w0.25: S2.2 56.33,148.13
Net-(Rs6-Pad2): length 3.6
  Top w0.25: S2.4 56.58,144.13
Net-(Rs7-Pad2): length 2.4
  Top w0.25: S3.1 78.19,155.97
Net-(Rs8-Pad2): length 2.4
  Top w0.25: S3.2 78.22,153.97
Net-(Rs9-Pad2): length 2.4
  Top w0.25: Rs9.2 75.87,149.94
Net-(Rs10-Pad2): length 17.7
  Top w0.25: S4.1 159.2,46.11 155.64,49.68 155.64,55.03 154.1,56.57 154.1,56.91 154.31,57.12
Net-(Rs11-Pad2): length 14.3
  Top w0.25: 162.1,47.32 158.75,47.32 156.09,49.99 Rs11.2
Net-(Rs12-Pad2): length 11.6
  Top w0.25: 158.07,56.91 158.07,56.54 156.54,55.01 156.54,50.17 157.36,49.35 158.5,49.35 S4.4
Net-(SW1-Pad4): length 27
  Bottom w0.25: 34.8,116.41 34.8,116.79 34.04,117.55 21.59,117.55 17.53,113.49 11.94,113.49 10.9,114.53 10.9,114.81
Net-(SW2-Pad4): length 28.2
  Bottom w0.25: 29.95,114.78 29.95,114.28 30.61,113.61 35.82,113.61 43.56,121.36 52.71,121.36 53.75,120.32
Net-(SW3-Pad4): length 28.7
  Bottom w0.25: 72.75,124.03 72.75,124.56 72.27,125.04 64.01,125.04 56.14,117.17 49.91,117.17 48.9,118.19 48.9,118.6
Net-(SW4-Pad4): length 29
  Bottom w0.25: 91.75,127.83 91.75,128.42 91.32,128.85 83.57,128.85 81.41,126.7 81.41,125.43 77.22,121.23 68.99,121.23 67.9,122.32
Net-(SW5-Pad4): length 25
  Bottom w0.25: 110.75,124.16 109.86,125.04 87.51,125.04 86.9,125.65 86.9,126.2
Net-(SW6-Pad4): length 26
  Bottom w0.25: 105.89,122.43 105.89,122.15 106.94,121.11 118.62,121.11 120.4,122.89 129.03,122.89 129.8,122.12 129.8,121.77
Net-(SW7-Pad4): length 127.4
  Bottom w0.25: 15.75,97.44 17.48,97.44 20.45,100.41 20.45,109.03 24.13,112.72 36.19,112.72 39.69,116.21 56.45,116.21 60.58,120.34 60.59,120.34 77.59,120.34 81.4,124.15 98.06,124.15 101.99,120.21 115.96,120.21 117.22,118.95 123.19,118.95 124.39,120.15
Net-(SW8-Pad4): length 27.4
  Bottom w0.25: 10.9,95.81 10.9,95.35 12.07,94.18 19.81,94.18 24.24,98.61 34.08,98.61 34.75,97.94 34.75,97.43
Net-(SW10-Pad4): length 29
  Bottom w0.25: 72.75,105.03 72.75,105.66 72.42,105.99 64.01,105.99 56.01,97.99 49.91,97.99 48.9,99.01 48.9,99.6
Net-(SW10-Pad5): length 29.1
  Bottom w0.25: 29.9,95.8 29.9,95.02 30.48,94.44 36.2,94.44 44.2,102.44 45.98,102.44 46,102.41 53.29,102.41 53.75,101.95 53.75,101.23
Net-(SW11-Pad4): length 28.9
  Bottom w0.25: 67.9,103.4 67.9,102.74 68.84,101.8 75.44,101.8 83.44,109.8 91.17,109.8 91.75,109.23 91.75,108.83
Net-(SW12-Pad4): length 25.3
  Bottom w0.25: 86.9,107.2 86.9,106.86 87.76,105.99 110.47,105.99 110.75,105.71 110.75,105.06
Net-(SW13-Pad4): length 25.6
  Bottom w0.25: 129.8,102.77 129.8,103.12 129.09,103.84 112.65,103.84 111.13,102.31 106.81,102.31 105.89,103.23
Net-(SW14-Pad4): length 126.1
  Bottom w0.25: 15.75,78.44 18.17,78.44 21.21,81.48 21.21,87.32 27.43,93.54 36.57,93.54 40.13,97.09 56.38,97.09 60.19,100.9 61.22,100.9 61.24,100.89 73.14,100.89 73.15,100.9 75.81,100.9 80,105.1 94.75,105.1 98.44,101.41 116.98,101.41 118.37,100.03 123.7,100.03 124.82,101.15
Net-(SW15-Pad4): length 26.5
  Bottom w0.25: 34.75,78.43 34.75,78.99 34.17,79.58 25.53,79.58 21.85,75.9 11.74,75.9 10.9,76.73
Net-(SW16-Pad4): length 28.5
  Bottom w0.25: 29.9,76.8 29.9,76.23 30.48,75.64 36.58,75.64 44.17,83.24 53.27,83.24 53.75,82.75 53.75,82.23
Net-(SW17-Pad4): length 28.6
  Bottom w0.25: 72.75,86.03 72.75,86.51 72.19,87.07 62.99,87.07 55.12,79.2 50.04,79.2 48.9,80.34 48.9,80.6
Net-(SW18-Pad4): length 28.2
  Bottom w0.25: 67.9,84.4 67.9,84.07 68.71,83.26 75.69,83.26 83.19,90.75 91.21,90.75 91.75,90.22 91.75,89.83
Net-(SW19-Pad4): length 25.3
  Bottom w0.25: 110.75,86.06 110.75,86.31 109.98,87.07 87.25,87.07 86.9,87.43 86.9,88.2
Net-(SW20-Pad4): length 26.2
  Bottom w0.25: 129.8,83.77 129.8,84.16 129.1,84.86 120.22,84.86 118.62,83.26 106.3,83.26 105.89,83.67 105.89,84.43
Net-(SW21-Pad4): length 128.3
  Bottom w0.25: 124.74,82.15 123.23,80.63 119.91,80.63 118.18,82.36 101.74,82.36 97.93,86.17 79.88,86.17 76.07,82.36 59.56,82.36 55.49,78.3 40.51,78.3 36.95,74.74 23.36,74.74 21.08,72.47 21.08,67.77 18.93,65.61 17.53,65.61 16.51,64.59 16.51,60.2 15.75,59.44
Net-(SW22-Pad4): length 27.2
  Bottom w0.25: 34.75,59.43 34.75,59.84 34.17,60.43 25.3,60.43 21.34,56.46 11.43,56.46 10.9,57 10.9,57.81
Net-(SW23-Pad4): length 28
  Bottom w0.25: 29.9,57.72 30.78,56.85 35.69,56.85 43.06,64.21 53.29,64.21 53.75,63.75 53.75,63.23
Net-(SW24-Pad4): length 28.1
  Bottom w0.25: 72.75,67.03 72.75,67.51 72.37,67.89 64.01,67.89 56.77,60.66 49.53,60.66 48.9,61.29 48.9,61.6
Net-(SW25-Pad4): length 28.3
  Bottom w0.25: 67.9,65.28 68.96,64.21 75.95,64.21 83.7,71.96 91.11,71.96 91.75,71.32 91.75,70.83
Net-(SW26-Pad4): length 25.5
  Bottom w0.25: 110.75,67.06 110.75,67.72 110.44,68.02 87.48,68.02 86.9,68.6 86.9,69.2
Net-(SW27-Pad4): length 25.8
  Bottom w0.25: 105.89,65.43 105.89,65 106.43,64.47 120.14,64.47 121.41,65.74 129.37,65.74 129.8,65.3 129.8,64.77
Net-(SW28-Pad4): length 127.3
  Bottom w0.25: 124.94,63.04 124.34,62.43 124.34,62.43 123.51,61.6 119.64,61.6 117.67,63.57 100.98,63.57 97.42,67.12 80.13,67.12 76.32,63.31 60.7,63.31 57.14,59.76 39.87,59.76 36,55.89 25.08,55.89 21.08,51.89 21.08,44.69 16.83,40.44 15.75,40.44
Net-(SW29-Pad4): length 27
  Bottom w0.25: 10.9,38.81 10.9,38.2 11.43,37.67 19.69,37.67 23.5,41.48 34.27,41.48 34.75,40.99 34.75,40.43
Net-(SW30-Pad4): length 28.3
  Bottom w0.25: 53.75,44.23 53.75,44.81 53.27,45.29 44.83,45.29 37.47,37.92 30.36,37.92 29.9,38.38 29.9,38.8
Net-(SW31-Pad4): length 28.4
  Bottom w0.25: 72.75,48.03 72.75,48.66 72.44,48.97 63.76,48.97 56.39,41.61 49.29,41.61 48.9,42 48.9,42.6
Net-(SW32-Pad4): length 28.5
  Bottom w0.25: 91.75,51.83 91.75,52.27 91.11,52.91 82.68,52.91 75.19,45.42 72.14,45.42 72.01,45.29 68.46,45.29 67.9,45.85 67.9,46.4
Net-(SW33-Pad4): length 63.2
  Bottom w0.25: 86.9,50.2 86.9,49.83 87.89,48.84 101.09,48.84 107.62,55.37 119.46,55.37 123.45,51.38 136.15,51.38 141.29,46.24 141.29,44.65
Net-(SW34-Pad4): length 30.5
  Bottom w0.25: 136.71,46.93 136.27,46.49 136.27,45.8 145.48,36.59 151.06,36.59 154.18,33.48 154.18,31.45 155.7,29.92 155.7,28.83 155.06,28.18
Net-(SW35-Pad4): length 45.1
  Bottom w0.25: 151.23,31.57 150.34,32.46 144.82,32.46 133.48,43.8 111.22,43.8
Net-(SW36-Pad4): length 28.8
  Bottom w0.25: 106.13,44.38 106.13,43.3 110.62,38.81 119.26,38.81 120.09,37.98 122.63,37.98 126.49,34.11 126.49,33.73 127.81,32.41 127.81,31.06
Net-(SW37-Pad4): length 29.3
  Bottom w0.25: 123.23,33.34 122.98,33.09 122.98,32.03 131.32,23.7 134.11,23.7 138.69,19.13 138.69,16.42 139.83,15.28 139.83,13.67 139.69,13.53 139,13.53

## Copper pours and planes (outline as drawn; the poured copper is in the pictures)
GND on In2.Cu: 129.92,163.91 173.87,148.67 183.77,139.78 180.22,34.11 167.52,12.27 147.7,-0.18 133.99,-1.96 130.43,12.27 113.57,27.7 67.59,35.06 17.66,25.73 -6.98,37.16 -2.41,125.04 0.64,143.59 36.2,158.32 87.25,166.95
BUSPWR on In1.Cu: 151.15,159.36 183.01,143.08 181.1,35.5 168.53,17.35 152.66,0.97 135.13,-3.61 127.26,13.67 107.44,33.1 84.46,39.19 69.09,36.78 46.36,29.29 15.21,26.36 -2.06,32.46 -2.28,56.08 -3.39,139.05 28.87,160.9 88.16,168.25

## Text on the board
F.Silkscreen: Ver 1 / 版一
